# KiCad board k30p-VME.kicad_pcb (continued)
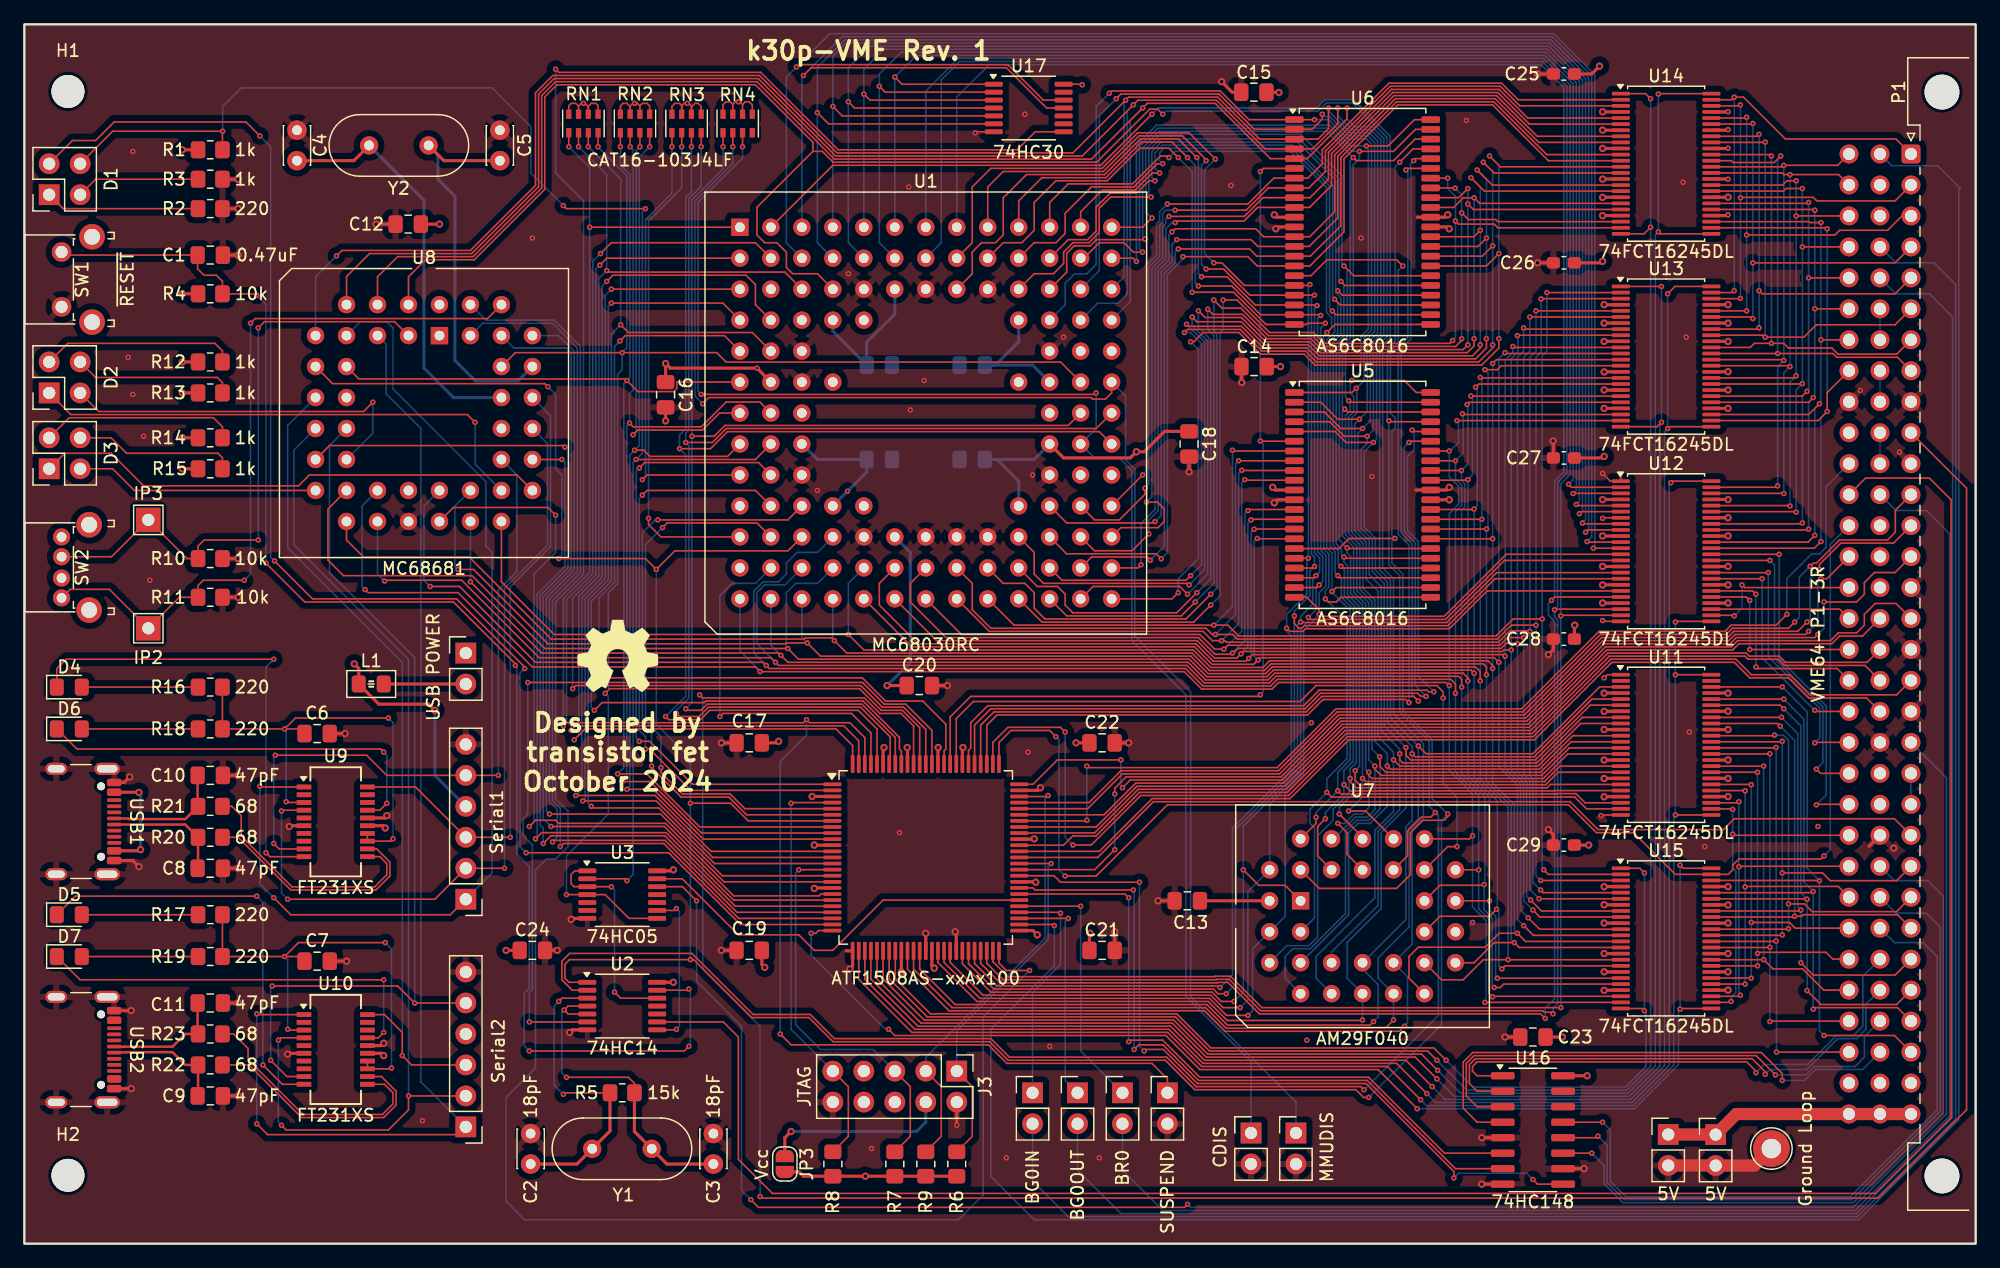
[diagram p0: board, top side]
## Routing (per net, layer and track width the routed paths; a pad name or vN(x,y) marks a point on that pad's centre or on a via; arc(x,y) is an arc through that point) (continued)
LA13: length 124.8
  Top w0.127: U11.20 125.49,37.16 125.47,37.14 108.71,37.14 v1(108.2,37.64) ; v1(106.68,34.85) 106.05,34.21 106.05,31.8 U7.28 ; v1(107.44,77.45) 107.91,76.99 U6.25 ; U1.A12 86.61,84.63 88.39,86.41 91.08,86.41 92.48,87.81 v1(93.09,87.81) ; U5.25 107.87,54.61 v1(107.7,54.79)
  Bottom w0.127: v1(93.09,87.81) 92.71,88.19 92.71,89.46 93.34,90.09 104.01,90.09 107.28,86.83 107.28,77.62 v1(107.44,77.45) 107.7,77.2 107.7,74.67 107.06,74.03 107.06,57.18 107.48,56.76 107.48,55.01 v1(107.7,54.79) 107.99,54.5 107.99,53.02 108.97,52.04 108.97,39.57 108.2,38.81 v1(108.2,37.64) 108.2,36.88 106.68,35.36 v1(106.68,34.85)
LA14: length 128.7
  Top w0.127: U5.24 107.55,53.81 v1(107.22,53.48) ; U1.B10 82.8,82.09 84.58,82.09 85.34,82.85 85.34,84.51 87.5,86.66 90.98,86.66 92.88,88.57 v1(93.35,88.57) ; v1(105.92,34.98) 105.92,34.47 U7.29 ; v1(107.25,76.49) 107.55,76.19 U6.24 ; U11.22 127.98,36.16 127.23,36.91 125.6,36.91 125.57,36.88 107.95,36.88 v1(107.7,37.14)
  Bottom w0.127: 107.32,53.39 107.32,53.33 108.71,51.94 108.71,39.68 107.7,38.66 v1(107.7,37.14) 105.92,35.36 v1(105.92,34.98) ; v1(93.35,88.57) 93.09,88.82 93.09,89.48 93.45,89.84 103.91,89.84 107.02,86.72 107.02,76.71 v1(107.25,76.49) 107.44,76.3 107.44,74.77 106.81,74.14 106.81,57.07 107.22,56.65 v1(107.22,53.48)
LA15: length 134.5
  Top w0.127: U6.23 107.47,75.39 v1(106.81,74.73) ; U11.23 128.09,35.66 127.13,36.63 107.19,36.63 v1(106.81,37.01) ; v1(106.68,52.88) 106.93,52.63 107.57,52.63 107.95,53.01 U5.23 ; v1(93.85,89.08) 93.73,89.2 93.16,89.2 90.87,86.92 85.6,86.92 84.07,85.4 U1.A11
  Bottom w0.127: U7.3 105.79,26.72 105.79,34.09 105.41,34.47 105.41,35.61 v1(106.81,37.01) 106.81,38.13 108.46,39.78 108.46,51.11 v1(106.68,52.88) 106.68,53.54 106.97,53.83 106.97,56.55 106.55,56.97 106.55,74.47 v1(106.81,74.73) 107.19,75.11 107.19,75.96 106.77,76.38 106.77,86.62 103.8,89.59 94.36,89.59 v1(93.85,89.08)
LA16: length 161.7
  Top w0.127: v1(95.76,78.03) 99.17,78.03 101.81,75.39 U6.22 105.13,75.39 105.23,75.49 v1(106.68,75.49) ; U5.22 105.16,53.01 106.17,51.99 v1(106.17,51.61) 106.34,51.45 116.42,51.45 121.51,56.53 U12.13 ; v1(100.33,18.72) 98.57,18.72 97.17,20.12 78.36,20.12 75.41,23.06 U4.41 ; v1(94.61,89.08) 93.85,89.84 91.46,89.84 88.79,87.17 84.58,87.17 82.8,85.4 82.8,83.11 81.79,82.09 80.26,82.09 U1.B9
  Bottom w0.127: v1(100.33,18.72) 100.71,19.1 100.71,24.18 U7.2 103.38,26.85 103.38,36.95 104.9,38.47 104.9,50.28 106.17,51.55 v1(106.17,51.61) 106.17,53.39 106.72,53.94 106.72,56.44 106.3,56.86 106.3,75.11 v1(106.68,75.49) ; v1(95.76,78.03) 95.76,87.94 v1(94.61,89.08)
LA17: length 156.4
  Top w0.127: v1(99.7,19.36) 98.3,19.36 97.28,20.37 78.61,20.37 75.91,23.07 U4.42 ; v1(96.27,78.54) 99.02,78.54 101.37,76.19 U6.21 106.23,76.19 v1(106.3,76.12) ; U12.14 121.37,56.03 116.53,51.2 105.45,51.2 v1(105.28,51.36) ; U5.21 105.96,53.81 v1(106.17,54.03) ; U1.A10 81.53,85.52 83.44,87.43 88.69,87.43 91.61,90.35 94.11,90.35 v1(95.38,89.08)
  Bottom w0.127: v1(106.3,76.12) 106.05,75.87 106.05,56.76 106.46,56.34 106.46,54.32 v1(106.17,54.03) 105.92,53.77 105.92,51.99 v1(105.28,51.36) 105.28,51.02 104.65,50.39 104.65,38.58 102.11,36.04 U7.30 100.33,28.88 100.33,19.99 v1(99.7,19.36) ; v1(95.38,89.08) 96.01,88.44 96.01,78.79 v1(96.27,78.54)
LA18: length 169.1
  Top w0.127: v1(99.95,30.66) 101.22,29.39 103.38,29.39 U7.1 ; U12.16 120.73,55.03 116.63,50.94 104.68,50.94 v1(104.65,50.98) ; U5.20 105.74,54.61 v1(105.92,54.79) ; U1.C8 77.72,79.55 77.72,81.33 78.49,82.09 79.63,82.09 80.26,82.73 80.26,85.78 82.17,87.68 88.58,87.68 91.5,90.6 94.61,90.6 v1(96.14,89.08) ; v1(105.99,76.94) 105.94,76.99 U6.20 100.92,76.99 98.61,79.3 v1(96.52,79.3) ; U4.44 76.91,22.96 79.25,20.62 97.38,20.62 98.15,19.86 v1(99.19,19.86)
  Bottom w0.127: v1(105.99,76.94) 105.79,76.73 105.79,56.65 106.21,56.23 106.21,55.08 v1(105.92,54.79) 105.66,54.53 105.66,52.46 104.65,51.44 v1(104.65,50.98) 104.39,50.72 104.39,38.68 99.95,34.24 v1(99.95,30.66) 99.95,20.62 v1(99.19,19.86) ; v1(96.52,79.3) 96.27,79.55 96.27,88.95 v1(96.14,89.08)
LA19: length 157.5
  Top w0.127: v1(96.9,88.82) 96.9,88.91 94.95,90.86 91.4,90.86 88.48,87.94 80.26,87.94 78.99,86.66 U1.A9 ; v1(105.79,77.79) U6.19 100.48,77.79 98.34,79.93 v1(96.9,79.93) ; v1(104.14,51.49) 104.14,50.85 104.52,50.47 104.73,50.47 104.95,50.69 116.74,50.69 120.59,54.53 U12.17 ; v1(98.55,20.5) 97.87,20.5 97.49,20.88 79.5,20.88 77.41,22.97 U4.45 ; U5.19 105.66,55.41 v1(105.79,55.54)
  Bottom w0.127: v1(96.9,79.93) 96.52,80.31 96.52,88.44 v1(96.9,88.82) ; v1(98.55,20.5) 99.31,21.26 99.31,33.96 104.14,38.79 v1(104.14,51.49) 104.14,51.89 105.41,53.16 105.41,55.16 v1(105.79,55.54) 105.79,56.29 105.54,56.55 105.54,77.53 v1(105.79,77.79)
LA20: length 159.9
  Top w0.127: v1(105.41,78.66) 105.33,78.59 U6.18 100.04,78.59 98.19,80.44 v1(97.54,80.44) ; U4.46 77.91,22.97 79.76,21.13 97.92,21.13 v1(98.04,21.01) ; v1(103.51,50.47) 103.76,50.22 104.84,50.22 105.05,50.43 116.84,50.43 119.94,53.53 U12.19 ; U1.B8 77.72,82.09 77.72,86.66 79.25,88.19 88.37,88.19 91.29,91.11 95.5,91.11 v1(97.66,88.95) ; v1(105.28,56.21) U5.18
  Bottom w0.127: v1(98.04,21.01) 99.06,22.02 99.06,34.07 103.89,38.89 103.89,49.83 103.51,50.22 v1(103.51,50.47) 103.51,51.61 105.16,53.26 105.16,56.08 v1(105.28,56.21) 105.28,78.54 v1(105.41,78.66) ; v1(97.66,88.95) 96.77,88.06 96.77,81.2 v1(97.54,80.44)
LA21: length 194.8
  Top w0.127: U4.47 78.41,22.98 80.01,21.39 97.83,21.39 97.87,21.42 98.69,21.42 101.26,18.85 124.33,18.85 v1(124.71,18.47) ; U12.20 125.5,53.03 v1(125.22,52.76)
  Bottom w0.127: v1(124.71,18.47) 124.71,19.31 125.48,20.07 125.48,51.04 124.97,51.55 124.97,52.5 v1(125.22,52.76) 125.48,53.01 125.48,62.53 126.24,63.3 126.24,94.82 124.36,96.7 79.12,96.7 76.45,94.03 U1.A8
LA22: length 199.3
  Top w0.127: U4.48 78.91,22.99 80.26,21.64 97.73,21.64 97.77,21.68 98.79,21.68 101.37,19.1 124.5,19.1 124.63,18.97 125.22,18.97 v1(125.35,18.85) ; v1(125.48,51.99) 125.52,52.03 U12.22
  Bottom w0.127: U1.B7 75.18,82.09 75.18,95.45 76.69,96.95 124.46,96.95 126.49,94.92 126.49,63.19 125.73,62.43 125.73,52.25 v1(125.48,51.99) 125.48,51.4 125.73,51.15 125.73,19.69 125.35,19.31 v1(125.35,18.85)
LA23: length 196
  Top w0.127: U4.49 79.41,23.13 80.64,21.89 97.62,21.89 97.66,21.93 98.9,21.93 101.47,19.36 v1(125.98,19.36) ; U12.23 126.03,51.53 v1(125.98,51.49)
  Bottom w0.127: U1.A7 73.91,94.54 76.58,97.21 124.57,97.21 126.75,95.03 126.75,63.09 125.98,62.32 v1(125.98,51.49) v1(125.98,19.36)
LA24: length 115.4
  Top w0.127: U12.2 126.86,62.03 v1(126.62,62.28) ; U17.1 71.96,95.09 v1(71.37,95.68)
  Bottom w0.127: U1.A6 v1(71.37,95.68) 73.15,97.46 124.67,97.46 127,95.13 127,62.66 v1(126.62,62.28)
LA25: length 121.9
  Top w0.127: v1(127,61.52) 127.02,61.53 U12.3 ; U17.2 70.58,94.44 v1(70.1,94.92)
  Bottom w0.127: v1(127,61.52) 127.25,61.77 127.25,95.24 124.78,97.71 71.88,97.71 70.1,95.94 v1(70.1,94.92) 70.1,82.09 U1.B6
LA26: length 122.8
  Top w0.127: U12.5 127.35,60.53 v1(127.25,60.63) ; v1(68.83,94.28) 69.33,93.79 U17.3
  Bottom w0.127: v1(127.25,60.63) 127.51,60.88 127.51,95.34 124.88,97.97 70.48,97.97 68.83,96.32 v1(68.83,94.28) U1.A5
LA27: length 129.5
  Top w0.127: U12.6 127.67,60.03 v1(127.51,59.87) ; U17.4 68.07,93.14 v1(67.56,93.65)
  Bottom w0.127: v1(127.51,59.87) 127.76,60.12 127.76,95.45 124.99,98.22 69.34,98.22 67.56,96.44 v1(67.56,93.65) 67.56,82.09 U1.B5
LA28: length 130.7
  Top w0.127: U12.8 127.83,59.03 v1(127.76,59.11) ; U17.5 67.07,92.49 v1(66.29,93.27)
  Bottom w0.127: U1.A4 v1(66.29,93.27) 66.29,97.4 67.37,98.48 125.1,98.48 128.02,95.56 128.02,59.36 v1(127.76,59.11)
LA29: length 136.9
  Top w0.127: v1(128.02,58.34) 128.21,58.53 U12.9 ; v1(65.02,92.76) 65.94,91.84 U17.6
  Bottom w0.127: U1.B4 65.02,82.09 v1(65.02,92.76) 65.02,96.49 67.27,98.73 125.2,98.73 128.27,95.66 128.27,58.6 v1(128.02,58.34)
LA30: length 143.9
  Top w0.127: U17.11 83.82,93.14 80.52,96.44 64.52,96.44 v1(63.88,95.81) ; U12.11 128.19,57.53 v1(128.14,57.58)
  Bottom w0.127: v1(128.14,57.58) 128.52,57.96 128.52,95.77 125.31,98.98 67.05,98.98 63.88,95.82 v1(63.88,95.81) 63.75,95.68 U1.A3
LA31: length 148.9
  Top w0.127: v1(128.65,57.03) U12.12 ; U17.12 83.55,93.79 80.64,96.7 63.5,96.7 v1(63.31,96.51)
  Bottom w0.127: v1(128.65,57.03) 128.78,57.16 128.78,95.87 125.41,99.24 66.04,99.24 v1(63.31,96.51) 62.48,95.68 62.48,82.09 U1.B3
LD0: length 69.2
  Top w0.127: v1(91.69,63.04) U1.K13 ; v1(93.73,85.27) 100.33,85.27 102.45,87.39 U6.7 105.24,87.39 106.43,88.57 106.43,89.71 111.89,95.17 121.13,95.17 122.49,93.82 U14.2
  Bottom w0.127: v1(93.73,85.27) 93.09,84.63 93.09,83.89 92.84,83.64 92.84,81.1 91.95,80.21 91.95,63.3 v1(91.69,63.04)
LD1: length 73.8
  Top w0.127: U1.K12 87.76,59.36 89.79,59.36 91.89,61.46 v1(91.89,61.96) ; v1(94.36,84.76) 100.18,84.76 102.01,86.59 U6.8 105.33,86.59 106.68,87.94 106.68,89.61 111.99,94.92 121.03,94.92 122.63,93.32 U14.3
  Bottom w0.127: v1(91.89,61.96) 92.2,62.28 92.2,80.1 93.09,80.99 93.09,83.53 93.35,83.79 93.35,84.51 93.6,84.76 v1(94.36,84.76)
LD2: length 75.4
  Top w0.127: U1.L13 89.92,58.72 92.96,58.72 93.47,59.23 93.47,60.25 92.9,60.82 v1(92.01,60.82) ; U14.5 123.27,92.32 120.92,94.67 112.1,94.67 106.93,89.5 106.93,87.3 105.42,85.79 U6.9 101.57,85.79 100.03,84.25 v1(93.85,84.25)
  Bottom w0.127: v1(92.01,60.82) 92.46,61.27 92.46,80 93.35,80.88 93.35,83.43 93.6,83.68 93.6,84 v1(93.85,84.25)
LD3: length 75.5
  Top w0.127: U14.6 123.41,91.82 120.82,94.41 112.2,94.41 107.19,89.4 107.19,86.79 105.38,84.99 U6.10 101.13,84.99 100.01,83.87 94.49,83.87 v1(94.36,83.74) ; v1(91.57,55.68) 91.31,55.42 U1.M13
  Bottom w0.127: v1(94.36,83.74) 94.11,83.74 93.6,83.24 93.6,80.78 92.71,79.89 92.71,60.21 91.57,59.07 v1(91.57,55.68)
LD4: length 78.3
  Top w0.127: v1(92.2,58.2) 90.83,56.83 87.74,56.83 U1.L12 ; v1(94.11,82.98) 94.36,83.24 100.96,83.24 101.61,82.59 U6.13 105.4,82.59 107.44,84.63 107.44,89.29 112.31,94.16 120.71,94.16 124.05,90.82 U14.8
  Bottom w0.127: v1(92.2,58.2) 92.2,59.35 92.96,60.11 92.96,79.79 93.85,80.67 93.85,82.73 v1(94.11,82.98)
LD5: length 79.2
  Top w0.127: v1(92.71,59.22) 92.6,59.11 85.47,59.11 U1.K11 ; U14.9 124.19,90.32 120.61,93.9 112.41,93.9 107.7,89.19 107.7,84.12 105.36,81.79 U6.14 101.14,81.79 100.58,82.35 v1(94.49,82.35)
  Bottom w0.127: v1(92.71,59.22) 93.22,59.73 93.22,79.68 94.11,80.57 94.11,81.97 v1(94.49,82.35)
LD6: length 79.5
  Top w0.127: v1(94.61,81.59) 100.46,81.59 101.05,80.99 U6.15 105.45,80.99 107.95,83.49 107.95,89.08 112.52,93.65 120.5,93.65 124.83,89.32 U14.11 ; U1.M12 87.52,56.32 92.05,56.32 v1(92.33,56.05)
  Bottom w0.127: v1(94.61,81.59) 94.36,81.33 94.36,80.46 93.47,79.57 93.47,57.19 v1(92.33,56.05)
LD7: length 82.5
  Top w0.127: U1.L11 85.46,56.58 92.81,56.58 v1(93.22,56.17) ; U14.12 124.97,88.82 120.4,93.4 112.62,93.4 108.2,88.98 108.2,82.98 105.41,80.19 U6.16 101.09,80.19 100.33,80.95 v1(95,80.95)
  Bottom w0.127: v1(95,80.95) 95,80.74 93.73,79.47 93.73,56.68 v1(93.22,56.17)
LD8: length 87.7
  Top w0.127: U1.N13 94.11,52.88 v1(94.61,53.39) ; v1(120.9,74.22) 120.9,73.46 119.51,72.06 105.83,72.06 104.95,72.95 101.37,72.95 99.59,74.73 96.65,74.73 95.89,73.97 v1(95.63,73.97) ; U14.13 121.03,88.32 v1(120.14,89.2) ; U6.29 119.89,80.19 v1(120.9,81.2)
  Bottom w0.127: v1(94.61,53.39) 94.61,54.53 96.27,56.19 96.27,73.33 v1(95.63,73.97) ; v1(120.9,74.22) v1(120.9,81.2) 120.9,88.44 v1(120.14,89.2)
LD9: length 92.9
  Top w0.127: U14.14 130.9,87.81 120.52,87.81 v1(119.63,88.7) ; v1(95.63,54.79) 95.25,54.41 85.09,54.41 U1.M11 ; U6.30 119.55,80.99 v1(120.4,81.84) ; v1(120.4,73.71) 120.4,73.46 119.25,72.31 105.94,72.31 105.05,73.2 101.48,73.2 99.7,74.98 95.38,74.98 v1(95.12,74.73)
  Bottom w0.127: v1(95.12,74.73) 95.61,74.73 96.52,73.82 96.52,55.68 v1(95.63,54.79) ; v1(120.4,73.71) v1(120.4,81.84) 120.4,87.94 v1(119.63,88.7)
LD10: length 97.4
  Top w0.127: U6.31 119.2,81.79 v1(119.89,82.47) ; v1(119.89,74.22) 119.89,73.46 119,72.57 106.05,72.57 105.16,73.46 101.58,73.46 99.8,75.23 95.47,75.23 v1(95.29,75.41) ; U1.L10 82.8,56.69 82.8,54.92 83.57,54.15 95.38,54.15 v1(95.5,54.03) ; U14.16 120.37,86.82 v1(119.13,88.06)
  Bottom w0.127: v1(95.29,75.41) 96.77,73.93 96.77,55.3 v1(95.5,54.03) ; v1(119.13,88.06) 119.89,87.3 v1(119.89,82.47) v1(119.89,74.22)
LD11: length 89.9
  Top w0.127: U14.17 119.73,86.32 v1(118.62,87.43) ; v1(119.38,83.11) 118.86,82.59 U6.32 ; v1(95.38,53.26) 94.74,53.9 87.63,53.9 U1.N12 ; v1(95.76,76) 96.14,75.62 99.78,75.62 101.69,73.71 105.28,73.71 106.17,72.82 118.74,72.82 119.38,73.46 v1(119.38,73.71)
  Bottom w0.127: v1(118.62,87.43) 119.38,86.66 v1(119.38,83.11) v1(119.38,73.71) ; v1(95.76,76) 95.76,75.3 97.03,74.03 97.03,54.92 v1(95.38,53.26)
LD12: length 93.9
  Top w0.127: v1(118.87,74.22) 118.87,73.63 118.32,73.08 106.28,73.08 105.39,73.97 101.79,73.97 99.8,75.96 96.81,75.96 v1(96.27,76.5) ; U1.M10 83.06,53.9 84.71,53.9 85.34,53.26 85.34,52.38 85.98,51.74 94.49,51.74 v1(96.14,53.39) ; U6.35 117.2,84.99 117.98,85.78 v1(118.87,85.78) 119.33,85.32 U14.19
  Bottom w0.127: v1(118.87,85.78) v1(118.87,74.22) ; v1(96.27,76.5) 96.27,75.15 97.28,74.14 97.28,54.53 v1(96.14,53.39)
LD13: length 89.6
  Top w0.127: U6.36 117.61,85.79 v1(118.36,86.54) ; v1(118.36,85.27) 118.81,84.82 U14.20 ; U1.N11 85.47,51.49 94.87,51.49 v1(96.01,52.63) ; v1(118.36,73.71) 117.98,73.33 106.38,73.33 105.49,74.22 101.9,74.22 99.9,76.21 97.45,76.21 v1(97.03,76.63)
  Bottom w0.127: v1(96.01,52.63) 97.54,54.15 97.54,74.49 97.03,75 v1(97.03,76.63) ; v1(118.36,73.71) v1(118.36,85.27) v1(118.36,86.54)
LD14: length 96.2
  Top w0.127: v1(97.54,77.39) 98.21,76.72 99.75,76.72 102,74.47 105.6,74.47 106.49,73.58 117.35,73.58 117.86,74.09 v1(117.86,74.22) ; v1(97.28,53.26) 95.25,51.23 83.69,51.23 82.8,52.12 82.8,53.39 82.04,54.15 80.26,54.15 U1.M9 ; v1(117.32,86.56) 117.3,86.59 U6.37 ; v1(117.86,84.54) 118.4,84 120.65,84 120.83,83.82 U14.22
  Bottom w0.127: v1(117.86,74.22) v1(117.86,84.54) 117.86,86.03 v1(117.32,86.56) ; v1(97.28,53.26) 97.79,53.77 97.79,74.6 97.54,74.85 v1(97.54,77.39)
LD15: length 91.8
  Top w0.127: U14.23 120.82,83.32 120.52,83.62 117.6,83.62 v1(117.35,83.87) ; v1(116.71,87.39) U6.38 ; v1(98.3,77.39) 99.44,77.39 102.11,74.73 105.7,74.73 106.59,73.84 116.88,73.84 v1(117.12,74.07) ; v1(97.28,52.38) 95.89,50.98 83.44,50.98 U1.N10
  Bottom w0.127: v1(98.3,77.39) 98.3,74.98 98.04,74.73 98.04,53.14 v1(97.28,52.38) ; v1(117.12,74.07) 117.35,74.3 v1(117.35,83.87) 117.35,85.9 116.71,86.54 v1(116.71,87.39)
LD16: length 127.5
  Top w0.127: v1(124.46,51.23) 122.07,51.23 120.67,49.83 99.57,49.83 98.68,50.72 v1(97.54,50.72) 81.15,50.72 U1.N9 ; v1(99.06,65.08) 99.13,65.01 U5.7 ; U15.2 124.96,30.28 v1(124.59,30.66) ; v1(124.84,78) U13.2
  Bottom w0.127: v1(124.59,30.66) 124.46,30.78 v1(124.46,51.23) 124.46,72.82 124.84,73.2 v1(124.84,78) ; v1(99.06,65.08) 99.06,52.25 v1(97.54,50.72)
LD17: length 132.4
  Top w0.127: v1(124.33,29.78) U15.3 ; v1(124.37,77.48) 124.39,77.5 U13.3 ; v1(123.95,50.72) 121.92,50.72 120.78,49.58 99.46,49.58 99.08,49.96 v1(97.66,49.96) 97.41,49.96 96.9,50.47 79.25,50.47 77.72,51.99 77.72,54.15 U1.M8 ; v1(99.57,64.21) U5.8
  Bottom w0.127: v1(124.37,77.48) 124.37,73.11 123.95,72.69 v1(123.95,50.72) 123.95,30.17 v1(124.33,29.78) ; v1(99.57,64.21) 99.31,63.96 99.31,51.61 v1(97.66,49.96)
LD18: length 129.5
  Top w0.127: U15.5 124.55,28.78 v1(124.33,29.01) ; v1(123.44,50.22) 123.41,50.25 121.81,50.25 120.89,49.33 98.57,49.33 98.45,49.45 v1(98.17,49.45) 97.41,49.45 96.65,50.22 79.12,50.22 U1.N8 ; U13.5 v1(123.95,76.5) ; U5.9 99.84,63.41 v1(99.82,63.42)
  Bottom w0.127: v1(99.82,63.42) 99.57,63.17 99.57,50.85 v1(98.17,49.45) ; v1(124.33,29.01) 123.7,29.64 123.7,38.13 123.44,38.38 v1(123.44,50.22) 123.44,72.69 123.95,73.2 v1(123.95,76.5)
LD19: length 132.4
  Top w0.127: U13.6 123.45,76 v1(123.44,76) ; U5.10 100.13,62.61 v1(100.08,62.66) ; v1(124.21,28.28) U15.6 ; U1.N7 76.84,49.96 96.39,49.96 97.6,48.76 v1(98.36,48.76) 98.68,49.07 120.99,49.07 121.63,49.71 v1(122.94,49.71)
  Bottom w0.127: v1(123.44,76) 123.44,73.2 122.94,72.69 v1(122.94,49.71) 122.94,38.53 123.44,38.02 123.44,29.05 v1(124.21,28.28) ; v1(98.36,48.76) 99.82,50.22 99.82,62.41 v1(100.08,62.66)
LD20: length 134.8
  Top w0.127: v1(122.43,49.2) 122.39,49.24 121.51,49.24 121.1,48.82 99.52,48.82 99.06,48.36 v1(99.06,48.44) 98.96,48.34 97.64,48.34 96.27,49.71 75.56,49.71 72.64,52.63 72.64,54.15 U1.M7 ; U15.8 124.4,27.28 v1(123.51,28.18) ; v1(122.94,75.11) 123.04,75 U13.8 ; v1(100.33,60.12) 100.42,60.21 U5.13
  Bottom w0.127: v1(100.33,60.12) 100.08,59.87 100.08,49.45 v1(99.06,48.44) ; v1(122.94,75.11) 122.94,73.2 122.43,72.69 v1(122.43,49.2) 122.43,38.68 123.19,37.92 123.19,28.5 v1(123.51,28.18)
LD21: length 131.8
  Top w0.127: v1(123.7,27.36) 124.27,26.78 U15.9 ; U1.N6 74.8,49.45 96.16,49.45 97.59,48.02 99.4,48.02 v1(99.76,48.37) 99.95,48.56 121.2,48.56 121.33,48.69 v1(121.92,48.69) ; U13.9 122.46,74.5 v1(122.43,74.47) ; U5.14 100.63,59.41 v1(100.58,59.36)
  Bottom w0.127: v1(100.58,59.36) 100.33,59.11 100.33,48.95 v1(99.76,48.37) ; v1(122.43,74.47) 122.46,74.44 122.46,73.13 121.92,72.59 v1(121.92,48.69) 121.92,38.83 122.94,37.81 122.94,28.12 v1(123.7,27.36)
LD22: length 136
  Top w0.127: U5.15 100.85,58.61 v1(100.84,58.6) ; U13.11 122.13,73.5 v1(122.05,73.58) ; U1.M6 70.1,54.15 70.1,52.38 73.28,49.2 96.06,49.2 97.49,47.77 100.17,47.77 v1(100.39,47.99) 100.71,48.31 121.29,48.31 v1(121.41,48.18) ; v1(123.32,26.72) 124.25,25.78 U15.11
  Bottom w0.127: v1(122.05,73.58) 122.05,73.08 121.41,72.44 v1(121.41,48.18) 121.41,38.98 122.68,37.71 122.68,27.36 v1(123.32,26.72) ; v1(100.84,58.6) 100.58,58.34 100.58,48.18 v1(100.39,47.99)
LD23: length 133.8
  Top w0.127: U13.12 121.48,73 v1(121.41,73.08) ; U1.N5 72.77,48.95 95.95,48.95 97.38,47.51 100.8,47.51 v1(101.16,47.87) 101.35,48.06 120.52,48.06 v1(120.9,47.68) ; U5.16 101.12,57.81 v1(101.09,57.84) ; U15.12 123.74,25.28 v1(122.94,26.09)
  Bottom w0.127: v1(101.09,57.84) 100.84,57.58 100.84,48.18 v1(101.16,47.87) ; v1(122.94,26.09) 122.43,26.59 122.43,37.6 120.9,39.13 v1(120.9,47.68) 120.9,72.57 v1(121.41,73.08)
LD24: length 181.1
  Top w0.127: U7.13 113.54,21.77 113.54,23.55 114.3,24.31 119.78,24.31 120.93,25.45 v1(122.43,25.45) 123.09,24.78 U15.13 ; v1(120.4,72.19) 120.71,72.5 U13.13 ; v1(120.4,57.81) U5.29 ; U8.28 39.12,54.28 43.43,49.96 v1(67.56,49.96) 68.83,48.69 95.85,48.69 97.28,47.26 101.56,47.26 102.11,47.8 120.02,47.8 120.4,47.42 v1(120.4,47.17)
  Bottom w0.127: v1(67.56,49.96) 67.56,54.15 U1.M5 ; v1(122.43,25.45) 122.17,25.7 122.17,35.99 120.4,37.77 v1(120.4,47.17) v1(120.4,57.81) v1(120.4,72.19)
LD25: length 182.3
  Top w0.127: U15.14 122.58,24.28 v1(122.17,24.69) 120.52,24.69 118.87,23.04 U7.14 ; v1(119.76,71.68) 120.78,71.68 121.1,72 U13.14 ; U8.18 26.42,57.71 27.81,56.31 36.47,56.31 43.2,49.58 63.93,49.58 64.03,49.68 66.19,49.68 v1(66.42,49.45) 67.44,48.44 95.74,48.44 97.17,47 101.67,47 102.21,47.55 119.63,47.55 119.89,47.3 v1(119.89,46.66) ; v1(119.9,58.61) U5.30
  Bottom w0.127: v1(119.76,71.68) 120.02,71.42 120.02,58.72 v1(119.9,58.61) 119.89,58.6 v1(119.89,46.66) 119.89,37.92 121.92,35.89 121.92,24.94 v1(122.17,24.69) ; U1.N4 66.29,49.58 v1(66.42,49.45)
LD26: length 181.4
  Top w0.127: U13.16 119.42,71 v1(119.38,71.04) ; U15.16 v1(121.67,23.28) 119.63,23.28 117.98,21.64 116.2,21.64 U7.15 ; v1(119.38,46.15) 119.38,46.91 119,47.3 102.32,47.3 101.77,46.75 97.07,46.75 95.63,48.18 65.28,48.18 v1(64.2,49.26) 62.47,49.26 62.4,49.2 42.93,49.2 36.83,55.3 v1(35.56,55.3) ; v1(119.51,59.41) U5.31
  Bottom w0.127: U8.27 35.31,60.5 35.31,55.55 v1(35.56,55.3) ; U1.N3 63.75,49.71 v1(64.2,49.26) ; v1(121.67,23.28) 121.67,35.78 119.38,38.07 v1(119.38,46.15) 119.38,59.28 v1(119.51,59.41) 119.51,70.92 v1(119.38,71.04)
LD27: length 194.9
  Top w0.127: v1(118.87,60.25) 118.83,60.21 U5.32 ; v1(119,70.25) 119.26,70.5 U13.17 ; v1(120.71,27.42) 120.14,26.85 116.08,26.85 U7.17 ; v1(121.16,22.53) 121.41,22.78 U15.17 ; v1(118.87,46.79) 118.62,47.04 102.42,47.04 101.88,46.5 96.96,46.5 95.53,47.93 63.48,47.93 v1(62.6,48.81) 42.68,48.81 36.7,54.79 26.16,54.79 24.89,56.06 24.89,60.25 U8.19
  Bottom w0.127: U1.M4 65.02,54.15 63.25,54.15 62.48,53.39 62.48,48.92 v1(62.6,48.81) ; v1(119,70.25) 119.13,70.12 119.13,60.5 v1(118.87,60.25) v1(118.87,46.79) 118.87,38.22 120.78,36.31 120.78,27.48 v1(120.71,27.42) 120.9,27.23 120.9,22.78 v1(121.16,22.53)
LD28: length 172.9
  Top w0.127: v1(120.78,21.77) 130.89,21.77 U15.19 ; U7.18 v1(120.14,28.12) ; v1(118.36,46.15) 118.36,46.41 117.98,46.79 102.53,46.79 101.98,46.24 96.86,46.24 95.42,47.68 62.61,47.68 v1(62.04,48.25) 61.85,48.44 42.42,48.44 v1(36.58,54.28) ; U5.35 118.31,62.61 v1(118.36,62.66) ; U13.19 118.63,69.5 v1(118.62,69.52)
  Bottom w0.127: v1(118.62,69.52) 118.74,69.39 118.74,63.04 v1(118.36,62.66) v1(118.36,46.15) 118.36,38.37 120.14,36.59 v1(120.14,28.12) 120.14,27.36 120.65,26.85 120.65,21.89 v1(120.78,21.77) ; v1(62.04,48.25) 61.21,49.07 U1.N2 ; v1(36.58,54.28) U8.26
LD29: length 189.4
  Top w0.127: v1(120.52,21.01) 121.03,21.01 121.31,21.28 U15.20 ; v1(118.3,68.82) 118.48,69 U13.20 ; v1(117.86,45.64) 117.86,46.28 117.6,46.53 102.63,46.53 102.09,45.99 96.75,45.99 95.32,47.42 61.85,47.42 v1(61.59,47.68) 61.21,48.06 42.21,48.06 35.86,54.41 29.59,54.41 v1(29.53,54.34) ; v1(117.84,63.41) U5.36 ; v1(119.7,29.45) 119.63,29.39 116.08,29.39 U7.19
  Bottom w0.127: v1(118.3,68.82) 118.36,68.76 118.36,63.93 v1(117.84,63.41) 117.84,62.59 118.11,62.33 118.11,60.44 117.86,60.18 v1(117.86,45.64) 117.86,38.51 119.76,36.61 119.76,29.52 v1(119.7,29.45) 119.7,27.38 120.36,26.71 120.36,21.17 v1(120.52,21.01) ; v1(29.53,54.34) 28.96,54.92 U8.20 ; U1.M3 62.36,54.03 60.71,54.03 60.07,53.39 60.07,49.2 v1(61.59,47.68)
LD30: length 189.8
  Top w0.127: v1(117.35,64.21) U5.37 ; v1(120.4,20.24) 120.44,20.28 U15.22 ; v1(33.27,53.9) 35.69,53.9 41.91,47.68 60.58,47.68 v1(60.83,47.42) 61.09,47.17 95.21,47.17 96.65,45.73 102.19,45.73 102.74,46.28 116.97,46.28 117.35,45.9 v1(117.35,45.14) ; U13.22 117.97,68 v1(117.92,68.06) ; v1(119.25,30.66) U7.20
  Bottom w0.127: v1(120.4,20.24) 120.11,20.53 120.11,26.61 119.25,27.46 v1(119.25,30.66) 119.25,36.76 117.35,38.66 v1(117.35,45.14) 117.35,60.03 117.86,60.54 117.86,62.22 117.35,62.73 v1(117.35,64.21) 117.98,64.84 117.98,68 v1(117.92,68.06) ; v1(60.83,47.42) 59.82,48.44 59.82,53.52 60.58,54.28 61.85,54.28 62.48,54.92 62.48,55.81 63.37,56.69 65.02,56.69 U1.L4 ; U8.25 32.77,60.5 32.77,54.41 v1(33.27,53.9)
LD31: length 188.2
  Top w0.127: v1(116.84,65.01) U5.38 ; v1(116.84,45.77) 116.59,46.03 102.84,46.03 102.3,45.48 96.54,45.48 95.11,46.91 v1(60.33,46.91) 59.94,47.3 41.66,47.3 35.56,53.39 28.19,53.39 v1(27.94,53.64) ; v1(119.76,19.78) U15.23 ; v1(118.74,33.45) 118.49,33.2 U7.21 ; v1(117.48,67.5) U13.23
  Bottom w0.127: v1(27.94,53.64) 27.69,53.9 27.69,60.5 U8.21 ; v1(60.33,46.91) 60.33,46.98 58.67,48.63 U1.N1 ; v1(117.48,67.5) 117.6,67.38 117.6,65.71 116.9,65.01 v1(116.84,65.01) 116.84,62.88 117.6,62.12 117.6,60.65 116.84,59.89 v1(116.84,45.77) 116.84,38.81 118.74,36.91 v1(118.74,33.45) 118.74,27.61 119.85,26.5 119.85,19.88 v1(119.76,19.78)
MAIN_CLK: length 70.7
  Top w0.127: v1(41.4,18.18) U2.6 ; U4.87 74.41,42.1 72.26,44.25 70.51,44.25 68.73,46.03 v1(41.28,46.03)
  Bottom w0.127: v1(41.28,46.03) 41.28,35.23 40.89,34.85 40.89,33.45 41.66,32.69 41.66,20.85 41.4,20.59 v1(41.4,18.18)
MD32X_DIR: length 88.2
  Top w0.127: v1(132.84,19.1) 132.66,19.28 U15.24 ; v1(132.84,30.4) 132.46,30.78 U15.1 ; U4.33 71.41,21.73 74.3,18.85 94.49,18.85 97.28,16.05 115.57,16.05 v1(116.59,15.04)
  Bottom w0.127: v1(116.59,15.04) 118.78,12.84 131.28,12.84 132.97,14.53 132.97,18.97 v1(132.84,19.1) v1(132.84,30.4)
OP2: length 61.5
  Top w0.127: U4.20 58.15,28.17 52.62,33.71 42.42,33.71 v1(41.91,33.2) ; U8.31 v1(44.07,64.31)
  Bottom w0.127: v1(44.07,64.31) 44.32,64.06 44.32,55.55 42.04,53.26 42.04,33.33 v1(41.91,33.2)
OP3: length 81
  Top w0.127: U8.15 25.02,65.46 44.2,65.46 v1(44.32,65.33) ; U4.21 58.29,27.67 52.51,33.45 43.18,33.45 v1(42.55,32.82)
  Bottom w0.127: v1(44.32,65.33) 44.58,65.08 44.58,55.44 42.29,53.16 42.29,34.34 42.55,34.09 v1(42.55,32.82)
SIZ0: length 46
  Top w0.127: v1(52.32,58.72) 52.7,59.11 60.07,59.11 U1.L2 ; U4.5 59.08,35.67 57.87,36.88 53.95,36.88 52.2,38.64 v1(52.2,39.04)
  Bottom w0.127: v1(52.32,58.72) 50.93,57.33 50.93,42.85 52.2,41.58 v1(52.2,39.04)
SIZ1: length 50
  Top w0.127: U1.K3 62.61,59.36 v1(51.94,59.36) ; v1(51.44,39.17) 51.44,39.04 53.85,36.63 57.76,36.63 59.22,35.17 U4.6
  Bottom w0.127: v1(51.94,59.36) 51.73,59.36 50.67,58.3 50.67,42.6 51.44,41.83 v1(51.44,39.17)
STATUSLED: length 121.8
  Top w0.127: v1(41.15,32.06) 52.83,32.06 58.71,26.17 U4.24 ; v1(20.51,55.99) 23.62,52.88 35.43,52.88 41.02,47.3 v1(41.02,47.17) ; D1.3 3.94,90.47 5.84,90.47 7.37,92 18.16,92 v1(19.3,90.86)
  Bottom w0.127: v1(20.51,55.99) 20.19,56.31 20.19,89.97 v1(19.3,90.86) ; v1(41.15,32.06) 40.64,32.56 40.64,46.79 v1(41.02,47.17)
TCK: length 30.5
  Top w0.127: J3.1 77.72,12.88 77.72,8.8 R6.2 ; v1(84.2,31.17) U4.62
  Bottom w0.127: J3.1 76.45,17.45 83.95,24.94 83.95,30.92 v1(84.2,31.17)